# Altium PCB Mynd_TI_Amp.PcbDoc (part 1 of 2) (continued)
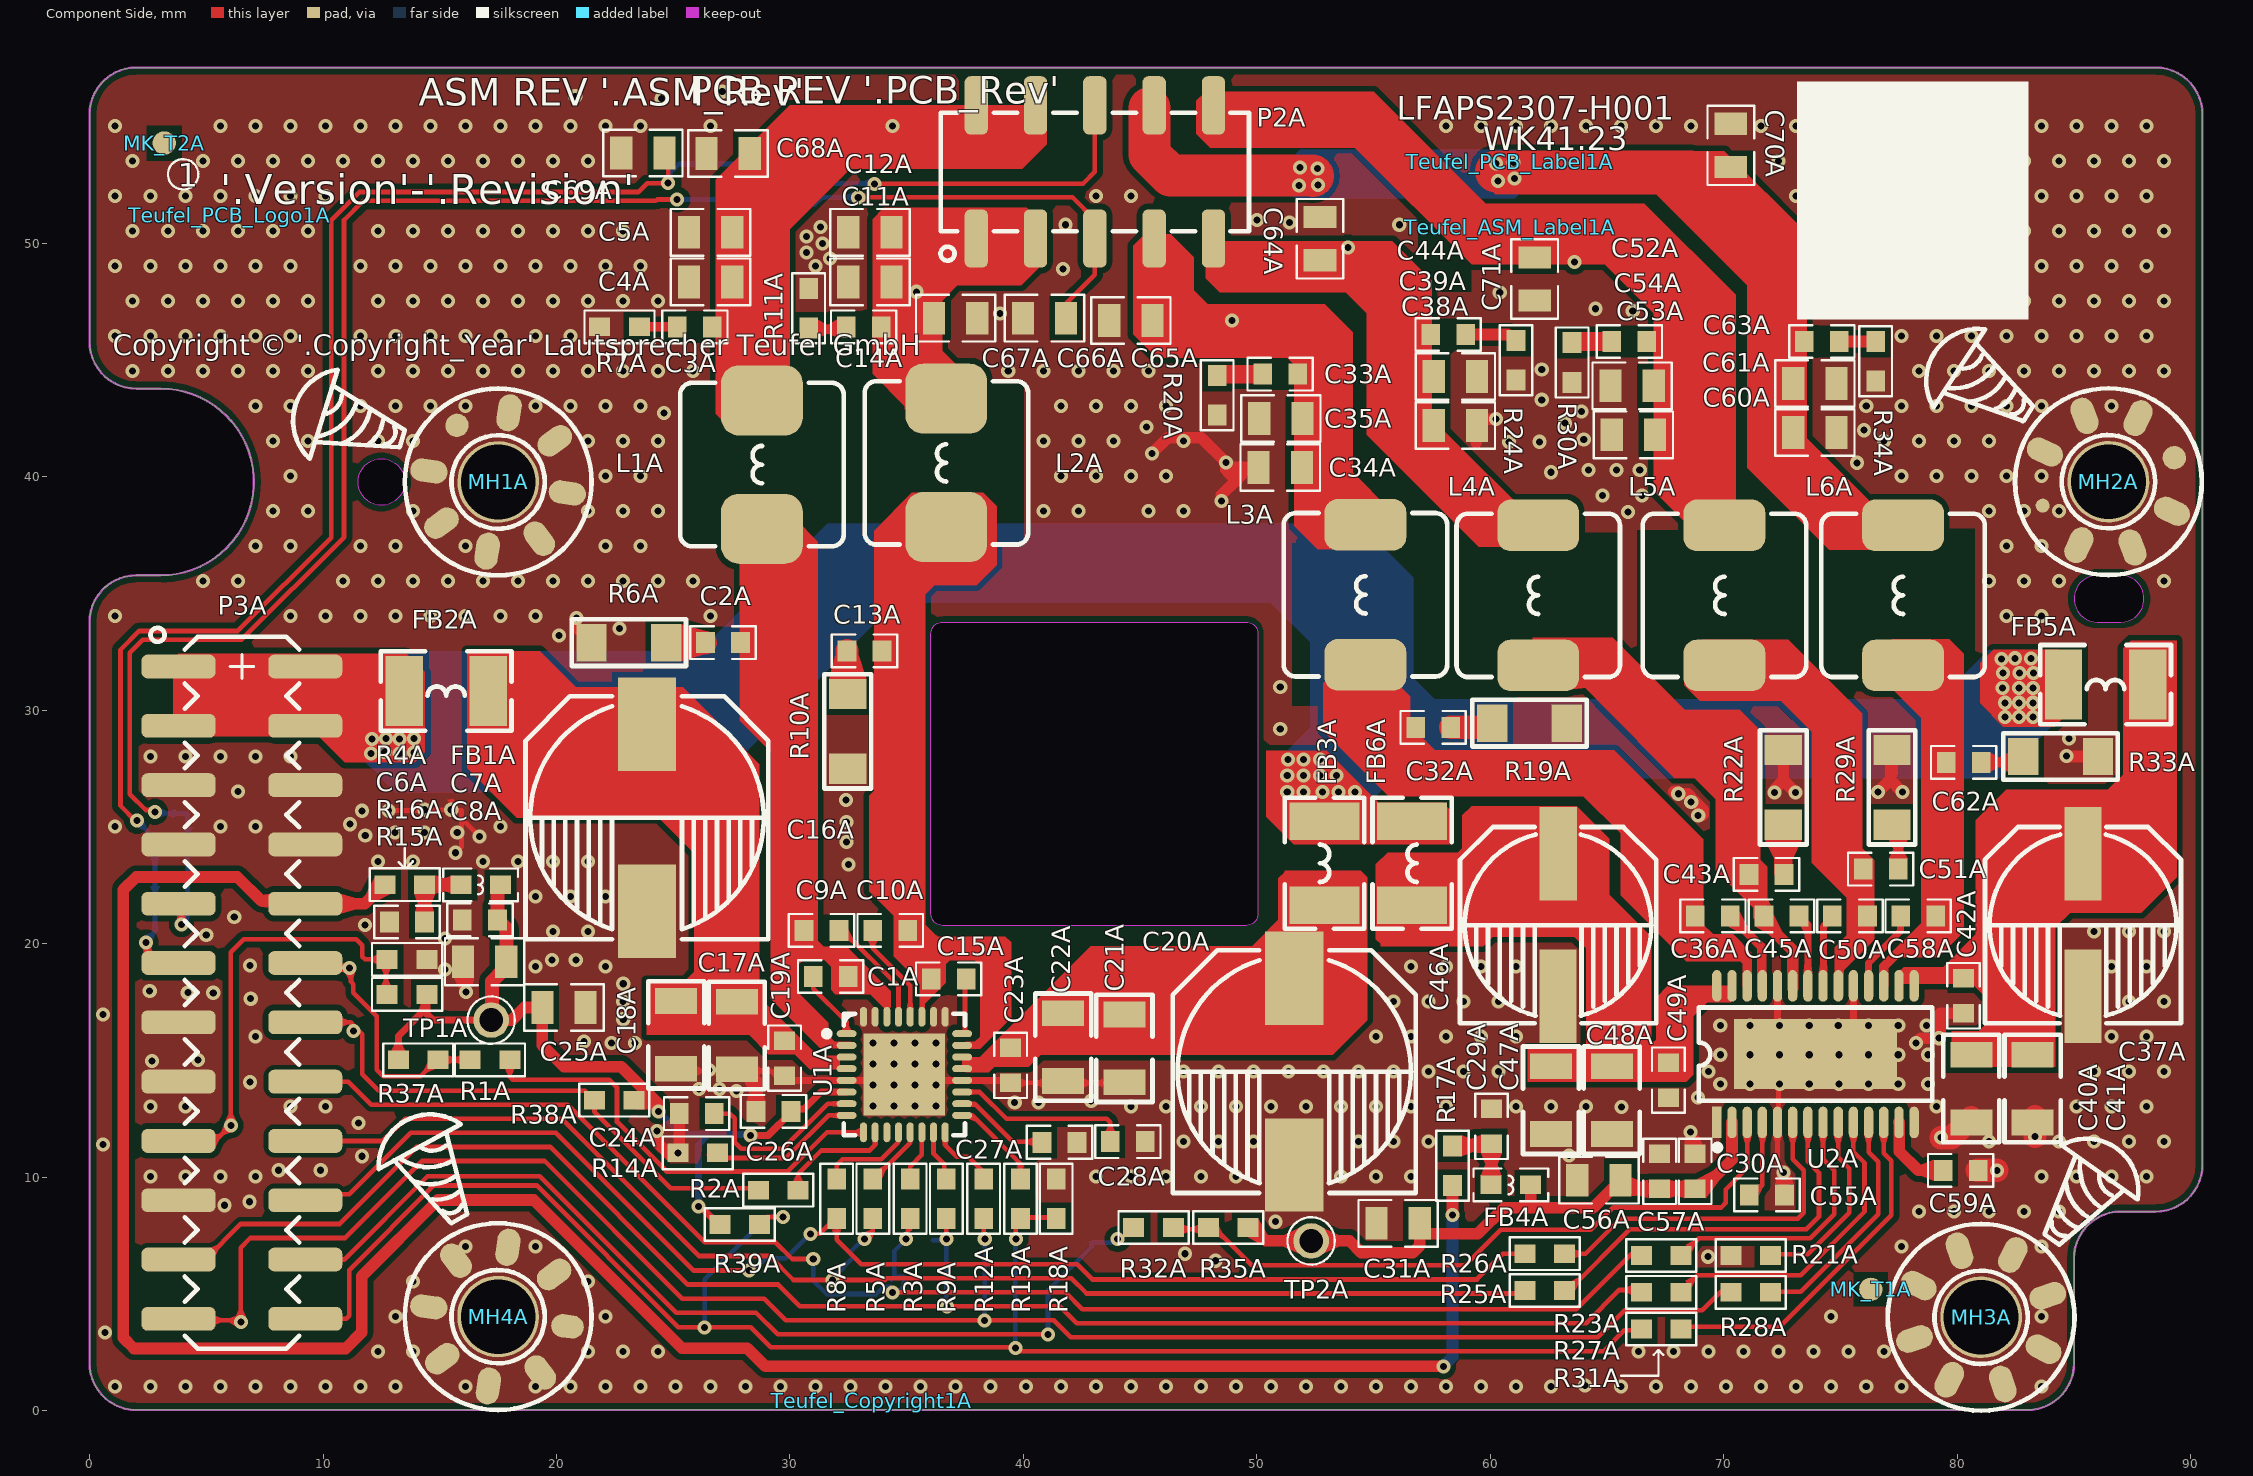
[diagram p0: Component Side view]
## Components (designator, comment, footprint, x,y, rotation, side; value= is the part's Value field where it differs from the comment)
C1A "470nF" C0603X100 31.75,18.6 r180 top
C2A "330pF" C0603X80 27.125,32.9 r0 top
C3A "10nF" C0603X100 25.93,46.425 r180 top
C4A "680nF" C0805_125 26.6,48.35 r180 top
C5A "1nF" C0805_125 26.6,50.475 r180 top
C6A "100nF" C0603X105 13.6,20.932 r180 top
C7A "100nF" C0603X105 16.725,21.025 r180 top
C8A "22uF" C0805_145 16.925,19.232 r180 top
C9A "470nF" C0603X100 31.355,20.576 r180 top
C10A "470nF" C0603X100 34.3,20.576 r180 top
C11A "680nF" C0805_125 33.425,48.35 r180 top
C12A "1nF" C0805_125 33.425,50.475 r180 top
C13A "330pF" C0603X80 33.2,32.55 r180 top
C14A "10nF" C0603X100 33.15,46.425 r0 top
C15A "470nF" C0603X100 36.8,18.5 r180 top
C16A "470uF" ECAP_SMD_1000X1000 23.876,25.4 r270 top
C17A "10uF" C1206 27.725,16.075 r270 top
C18A "10uF" C1206 25.125,16.1 r270 top
C19A "100nF" C0603X105 29.775,15.105 r270 top
C20A "470uF" ECAP_SMD_1000X1000 51.6,14.525 r270 top
C21A "10uF" C1206 44.325,15.525 r270 top
C22A "10uF" C1206 41.7,15.575 r270 top
C23A "100nF" C0603X105 39.45,14.8 r270 top
C24A "1uF" C0603X105 26,12.725 r0 top
C25A "4.7uF" C0805_145 20.32,17.272 r0 top
C26A "100nF" C0603X105 29.3,12.825 r180 top
C27A "1uF" C0603X105 41.55,11.5 r180 top
C28A "1uF" C0603X105 44.475,11.525 r180 top
C29A "100nF" C0603X105 60.05,12.175 r90 top
C30A "100nF" C0603X105 68.775,10.25 r90 top
C31A "22uF" C0805_145 56.05,8.025 r180 top
C32A "330pF" C0603X80 57.555,29.275 r180 top
C33A "10nF" C0603X100 51,44.4 r180 top
C34A "330nF" C0805_125 51,40.4 r180 top
C35A "1nF" C0805_125 51.025,42.5 r180 top
C36A "220nF" C0603X100 69.525,21.2 r0 top
C37A "220uF" ECAP_SMD_800X1000 85.384,20.8 r270 top
C38A "330nF" C0805_125 58.5,42.2 r0 top
C39A "1nF" C0805_125 58.5,44.3 r0 top
C40A "10uF" C1206 80.6,13.8 r270 top
C41A "10uF" C1206 83.225,13.8 r270 top
C42A "100nF" C0603X105 80.264,17.78 r270 top
C43A "330pF" C0603X80 71.82,22.975 r0 top
C44A "10nF" C0603X100 58.2,46.1 r180 top
C45A "220nF" C0603X100 72.475,21.2 r180 top
C46A "220uF" ECAP_SMD_800X1000 62.9,20.8 r270 top
C47A "10uF" C1206 62.6,13.3 r270 top
C48A "10uF" C1206 65.2,13.3 r270 top
C49A "100nF" C0603X105 67.625,14.162 r270 top
C50A "220nF" C0603X100 75.405,21.2 r180 top
C51A "330pF" C0603X80 76.725,23.2 r180 top
C52A "10nF" C0603X100 65.955,45.8 r180 top
C53A "330nF" C0805_125 66.125,41.8 r180 top
C54A "1nF" C0805_125 66.075,43.9 r180 top
C55A "1uF" C0603X105 71.85,9.25 r180 top
C56A "4.7uF" C0805_145 64.65,9.875 r180 top
C57A "100nF" C0603X105 67.25,10.25 r90 top
C58A "220nF" C0603X100 78.32,21.2 r0 top
C59A "1uF" C0603X105 80.15,10.3 r180 top
C60A "330nF" C0805_125 73.9,41.9 r0 top
C61A "1nF" C0805_125 73.9,44 r0 top
C62A "330pF" C0603X80 80.27,27.775 r0 top
C63A "10nF" C0603X100 74.2,45.8 r180 top
C64A "1nF" C0805_125 52.7,50.2 r90 top
C65A "1nF" C0805_125 44.6,46.7 r180 top
C66A "1nF" C0805_125 40.9,46.8 r180 top
C67A "1nF" C0805_125 37.1,46.8 r0 top
C68A "1nF" C0805_125 27.35,53.85 r180 top
C69A "1nF" C0805_125 23.7,53.875 r180 top
C70A "1nF" C0805_125 70.3,54.2 r90 top
C71A "1nF" C0805_125 61.9,48.475 r270 top
FB1A "600R" L0603 16.75,22.525 r0 top
FB2A "56R" L1612 15.275,30.825 r0 top
FB3A "56R" L1612 52.9,23.45 r270 top
FB4A "600R" L0603 60.875,9.675 r0 top
FB5A "56R" L1612 86.35,31.1 r0 top
FB6A "56R" L1612 56.65,23.45 r90 top
L1A "4.7uH" IND_SMD_YT_SQU_L78XW70XH50 28.8,40.525 r90 top
L2A "4.7uH" IND_SMD_YT_SQU_L78XW70XH50 36.7,40.6 r90 top
L3A "10uH" IND_SMD_YT_SQU_L78XW70XH30 54.65,34.95 r90 top
L4A "10uH" IND_SMD_YT_SQU_L78XW70XH30 62.05,34.925 r90 top
L5A "10uH" IND_SMD_YT_SQU_L78XW70XH30 70.025,34.925 r90 top
L6A "10uH" IND_SMD_YT_SQU_L78XW70XH30 77.675,34.925 r90 top
MH1A "SCREW_HOLE_D32" SCREW_D32#1 17.5,39.782 r126 top locked
MH2A "SCREW_HOLE_D32" SCREW_D32#2 86.474,39.794 r110 top
MH3A "SCREW_HOLE_D32" SCREW_D32#3 81.019,3.999 r18 top
MH4A "SCREW_HOLE_D32" SCREW_D32#4 17.5,4.032 r82 top
MK_T1A "MARK" MARK 76.3,5.2 r90 top
MK_T2A "MARK" MARK 3.2,54.3 r90 top
P2A "2 x 5P 2.54mm" female_2X5_254 43.06,53.06 r0 top
P3A "2 x 12P 2.54mm" Pin_Header_SMD_2X12_254 6.525,17.907 r270 top locked
R1A "10R" R0603 17.15,15.032 r180 top
R2A "10R" R0603 29.5,9.45 r180 top
R3A "0R" R0603 35.15,9.075 r90 top
R4A "2.2R" R0603 13.5,22.532 r180 top
R5A "0R" R0603 33.55,9.075 r90 top
R6A "10R" R1206 23.1,32.9 r180 top
R7A "3.3R" R0603 22.7,46.425 r180 top
R8A "0R" R0603 32,9.075 r90 top
R9A "0R" R0603 36.7,9.075 r90 top
R10A "10R" R1206 32.475,29.1 r90 top
R11A "3.3R" R0603 30.8,47.225 r90 top
R12A "0R" R0603 38.3,9.075 r90 top
R13A "10R" R0603 39.875,9.075 r270 top
R14A "0R" R0603 26.05,11.05 r0 top
R15A "100k" R0603 13.6,17.832 r180 top
R16A "10k" R0603 13.6,19.332 r0 top
R17A "2.2R" R0603 58.375,10.5 r270 top
R18A "10k" R0603 41.4,9.075 r90 top
R19A "10R" R1206 61.675,29.45 r0 top
R20A "3.3R" R0603 48.3,43.5 r270 top
R21A "10k" R0603 71.15,6.65 r180 top
R22A "10R" R1206 72.55,26.7 r270 top
R23A "0R" R0603 67.325,6.65 r0 top
R24A "3.3R" R0603 61.1,45 r270 top
R25A "0R" R0603 62.325,5.15 r0 top
R26A "0R" R0603 62.325,6.725 r0 top
R27A "0R" R0603 67.325,5.075 r0 top
R28A "0R" R0603 71.15,5.075 r0 top
R29A "10R" R1206 77.2,26.7 r90 top
R30A "3.3R" R0603 63.5,44.9 r270 top
R31A "10R" R0603 67.325,3.5 r180 top
R32A "10R" R0603 45.575,7.85 r180 top
R33A "10R" R1206 84.425,28.025 r180 top
R34A "3.3R" R0603 76.5,44.95 r270 top
R35A "4.7k" R0603 48.775,7.85 r180 top
R37A "10k" R0603 14.075,15.033 r0 top
R38A "10k" R0603 22.475,13.3 r180 top
R39A "NC" R0603 27.85,7.975 r0 top
Teufel_ASM_Label1A "=Comment/Name" Teufel_ASM_Rev 60.85,50.682 r0 top
Teufel_Copyright1A "=Comment/Name" TEUFEL_COPYRIGHT 33.5,0.432 r0 top
Teufel_PCB_Label1A "=Comment/Name" Teufel_PCB_Rev 60.825,53.507 r0 top
Teufel_PCB_Logo1A "T.3.0.0040-2.1" Teufel_NoLogo 6,51.2 r0 top
TP1A "TP_T_60_40" TP_T_60_40 17.2,16.732 r0 top
TP2A "TP_T_60_40" TP_T_60_40 52.325,7.275 r0 top
TP3A "TP12" TP120 21.775,27.15 r90 bottom
TP4A "TP12" TP120 35.875,48.4 r90 bottom
TP5A "TP12" TP120 33.5,54.932 r90 bottom
TP6A "TP12" TP120 30.734,52.578 r90 bottom
TP7A "TP12" TP120 28.3,52.125 r90 bottom
TP8A "TP12" TP120 59.4,53.132 r90 bottom
TP9A "TP12" TP120 21.6,29.45 r90 bottom
TP10A "TP12" TP120 48.4,46.132 r90 bottom
TP11A "TP12" TP120 63,48.6 r90 bottom
TP12A "TP12" TP120 54.8,49.632 r90 bottom
TP13A "TP12" TP120 4.21,25.527 r90 bottom
TP14A "TP12" TP120 11.049,18.415 r90 bottom
TP15A "TP12" TP120 11.049,15.494 r90 bottom
TP16A "TP12" TP120 2.8,23.032 r90 bottom
TP17A "TP12" TP120 34.315,5.31 r90 bottom
TP18A "TP12" TP120 6.35,12.319 r90 bottom
TP19A "TP12" TP120 32.525,6.8 r90 bottom
TP20A "TP12" TP120 29.225,6.526 r90 bottom
TP21A "TP12" TP120 36.125,7.3 r90 bottom
TP22A "TP12" TP120 42.9,7.2 r90 bottom
TP23A "TP12" TP120 40,7.3 r90 bottom
TP24A "TP12" TP120 6.477,4.191 r90 bottom
U1A "TAS5825PRHBR" QFN32_500X500X100_50_P350X350 34.9,14.4 r0 top
U2A "TAS5805MPWPR" TSSOP28(PWP) 73.925,15.275 r90 top

## Footprints (in the part's own frame and the unit in brackets; to place one, negate y for a bottom-side part, rotate by r counter-clockwise, add the part's x,y. Pads: shape width x height; smd on the part's side, far side on the other; paste and mask are expansions set on the pad)
C0603X80 [mm] "MLCC CAP 0603 T= 0.8 mm"
  rect 0.8x0.9 smd: 1(-0.745,0) 2(0.755,0)
  silkscreen extent -1.4,-0.7 1.4,0.7, body extent -0.8,-0.4 0.8,0.4, height 0.5
C0603X100 [mm] "MLCC CAP 0603 T= 1.0 mm"
  rect 0.8x0.9 smd: 1(-0.745,0) 2(0.755,0)
  silkscreen extent -1.4,-0.7 1.4,0.7, body extent -0.8,-0.4 0.8,0.4, height 0.8
C0603X105 [mm] "MLCC CAP 0603 T= 1.05 mm"
  rect 0.8x0.9 smd: 1(-0.745,0) 2(0.755,0)
  silkscreen extent -1.4,-0.7 1.4,0.7, body extent -0.8,-0.4 0.8,0.4, height 1.05
C0805_125 [mm] "Chip Capacitor 0805, T= 1.25 mm"
  rect 0.95x1.4 smd: 1(-0.925,0) 2(0.925,0)
  silkscreen extent -1.7,-1 1.7,1, body extent -1,-0.62 1,0.63, height 1.25
C0805_145 [mm] "Chip Capacitor 0805, T= 1.45 mm"
  rect 0.95x1.4 smd: 1(-0.925,0) 2(0.925,0)
  silkscreen extent -1.7,-1 1.7,1, body extent -1,-0.62 1,0.63, height 1.45
C1206 [mm] "Chip Capacitor 1206"
  rect 1.1x1.8 smd: 1(-1.45,0) 2(1.45,0)
  silkscreen extent -2.3,-1.2 2.3,1.2, body extent -1.6,-0.81 1.6,0.81, height 0.57
ECAP_SMD_800X1000 [mm] "Electrolytic Capacitors SMD D 8.00 mm X L 10.00 mm"
  rect 4x1.6 smd: 1(-3.05,0) 2(3.05,0)
  silkscreen extent -4.2,-4.2 4.2,4.2, body extent -4.45,-4.15 4.45,4.15, height 10
ECAP_SMD_1000X1000 [mm] "Electrolytic Capacitors SMD D 10.00 mm X L 10.00 mm"
  rect 4x2.5 smd: 1(-4,0) 2(4,0)
  silkscreen extent -5.2,-5.2 5.2,5.2, body extent -5.45,-5.15 5.45,5.15, height 10
female_2X5_254 [mm] "Female header  SMD  dual row    2.54mm  10pin H=7.5mm"
  rrect50% 1x2.5 smd: 1(-5.08,-2.85) 2(-5.08,2.85) 3(-2.54,-2.85) 4(-2.54,2.85) 5(0,-2.85) 6(0,2.85) 7(2.54,-2.85) 8(2.54,2.85) 9(5.08,-2.85) 10(5.08,2.85)
  silkscreen extent -6.61,-3.8 6.6,2.54, body extent -6.6,-3.35 6.6,3.35, height 7.46
IND_SMD_YT_SQU_L78XW70XH30 [mm] "INDUCTOR SMD L 7.8 x W 7.0 x H 3.0 mm"
  rrect50% 2.2x3.5 smd: 1(-3,0) 2(3,0)
  Component Side pour cut-out: -1.5,1.7 1.5,1.7 1.5,-1.7 -1.5,-1.7
  silkscreen extent -3.5,-3.5 3.5,3.5, body extent -3.7,-3.5 3.7,3.5, height 3.05
IND_SMD_YT_SQU_L78XW70XH50 [mm] "INDUCTOR SMD L 7.8 x W 7.0 x H 5.0 mm"
  rrect50% 3x3.5 smd: 1(-2.75,0) 2(2.75,0)
  Component Side pour cut-out: -1.1,1.7 1.1,1.7 1.1,-1.7 -1.1,-1.7
  silkscreen extent -3.5,-3.5 3.5,3.5, body extent -3.7,-3.5 3.7,3.5, height 5.05
L0603 [mm] "Chip Inductor 0603"
  rect 0.9x0.8 smd: 1(-0.85,0) 2(0.85,0)
  silkscreen extent -1.6,-0.7 1.6,0.7, body extent -0.8,-0.4 0.8,0.4, height 1
L1612 [mm] "Chip Inductor 1612 4.0 x 3.0 x 1.6mm"
  rect 1.6x3 smd: 1(-1.8,0) 2(1.8,0)
  silkscreen extent -2.8,-1.7 2.8,1.7, body extent -2,-1.5 2,1.5, height 1.6
MARK [mm] "MARK DOT 1mm"
  rect 1.5x1.5 on Top Solder: 0(0,0)
  rect 1.5x1.5 on Bottom Solder: 1(0,0)
  round 1 smd far side mask+0: MK_B(0,0)
  round 1 smd mask+0: MKT(0,0)
  Component Side pour cut-out: -0.75,-0.75 0.75,-0.75 0.75,0.75 -0.75,0.75
  Solder Side pour cut-out: -0.75,-0.75 0.75,-0.75 0.75,0.75 -0.75,0.75
Pin_Header_SMD_2X12_254 [mm] "Pin header  SMD  dual row   2.54mm  24pin"
  rrect50% 1.02x3.17 smd: 1(-13.97,-2.715) 2(-13.97,2.715) 3(-11.43,-2.715) 4(-11.43,2.715) 5(-8.89,-2.715) 6(-8.89,2.715) 7(-6.35,-2.715) 8(-6.35,2.715) 9(-3.81,-2.715) 10(-3.81,2.715) 11(-1.27,-2.715) 12(-1.27,2.715) 13(1.27,-2.715) 14(1.27,2.715) 15(3.81,-2.715) 16(3.81,2.715) 17(6.35,-2.715) 18(6.35,2.715) 19(8.89,-2.715) 20(8.89,2.715) 21(11.43,-2.715) 22(11.43,2.715) 23(13.97,-2.715) 24(13.97,2.715)
  silkscreen extent -15.63,-3.91 15.25,2.45, body extent -15.24,-3.75 15.24,3.75, height 9.61
QFN32_500X500X100_50_P350X350 [mm] "QFN, 32-Leads, Body 5.00x5.00mm, Pitch 0.50mm, Thermal Pad 3.50x3.50mm, IPC Medium Density"
  rect 3.5x3.5 smd: 0(0,0)
  oval 0.85x0.3 smd mask+0.051: 1(-2.475,1.75) 3(-2.475,0.75)
  oval 0.85x0.3 smd: 2(-2.475,1.25) 4(-2.475,0.25) 5(-2.475,-0.25) 6(-2.475,-0.75) 7(-2.475,-1.25) 8(-2.475,-1.75) 17(2.475,-1.75) 18(2.475,-1.25) 19(2.475,-0.75) 20(2.475,-0.25) 21(2.475,0.25) 22(2.475,0.75) 23(2.475,1.25) 24(2.475,1.75)
  oval 0.3x0.85 smd: 9(-1.75,-2.475) 10(-1.25,-2.475) 11(-0.75,-2.475) 12(-0.25,-2.475) 13(0.25,-2.475) 14(0.75,-2.475) 15(1.25,-2.475) 16(1.75,-2.475) 25(1.75,2.475) 26(1.25,2.475) 27(0.75,2.475) 28(0.25,2.475) 29(-0.25,2.475) 30(-0.75,2.475) 31(-1.25,2.475) 32(-1.75,2.475)
  silkscreen extent -3.45,-2.6 2.6,2.6, body extent -2.5,-2.5 2.5,2.5, height 1
R0603 [mm] "Chip Resistor 0603"
  rect 0.9x0.8 smd: 1(-0.85,0) 2(0.85,0)
  silkscreen extent -1.5,-0.7 1.5,0.7, body extent -0.8,-0.4 0.8,0.4, height 0.3
R1206 [mm] "Chip Resistor 1206"
  rect 1.3x1.6 smd: 1(-1.6,0) 2(1.6,0)
  silkscreen extent -2.45,-1 2.45,1, body extent -1.55,-0.8 1.55,0.8, height 0.55
SCREW_D32#1 [mm] "Screw hole D = 3.2mm"
  oval 1.6x1 smd: 1(-3,0)
  oval 1.6x1 smd far side: 1(-3,0)
  oval 1x1.6 smd rot 45: 1(-2.121,2.121) 1(2.121,-2.121)
  oval 1x1.6 smd far side rot 45: 1(-2.121,2.121) 1(2.121,-2.121)
  oval 1x1.6 smd rot 135: 1(-2.121,-2.121) 1(2.121,2.121)
  oval 1x1.6 smd far side rot 135: 1(-2.121,-2.121) 1(2.121,2.121)
  oval 1x1.6 smd: 1(0,3) 1(0,-3)
  oval 1x1.6 smd far side: 1(0,3) 1(0,-3)
  round 3.5 hole 3.2: 1(0,0)
  round 1 smd: 1(3,0)
  round 1 smd far side: 1(3,0)
  silkscreen extent -4,-4 8.19,5.99
SCREW_D32#2 [mm] "Screw hole D = 3.2mm"
  oval 1.6x1 smd: 1(-3,0) 1(3,0)
  oval 1.6x1 smd far side: 1(-3,0) 1(3,0)
  oval 1x1.6 smd rot 45: 1(-2.121,2.121) 1(2.121,-2.121)
  oval 1x1.6 smd far side rot 45: 1(-2.121,2.121) 1(2.121,-2.121)
  oval 1x1.6 smd rot 135: 1(-2.121,-2.121) 1(2.121,2.121)
  oval 1x1.6 smd far side rot 135: 1(-2.121,-2.121) 1(2.121,2.121)
  round 1 smd: 1(0,-3)
  round 1 smd far side: 1(0,-3)
  round 3.5 hole 3.2: 1(0,0)
  round 0.6 smd: 1(0,3)
  round 0.6 smd far side: 1(0,3)
  silkscreen extent -4,-4 8.19,5.99
SCREW_D32#3 [mm] "Screw hole D = 3.2mm"
  oval 1.6x1 smd: 1(-3,0) 1(3,0)
  oval 1.6x1 smd far side: 1(-3,0) 1(3,0)
  oval 1x1.6 smd rot 135: 1(-2.121,-2.121) 1(2.121,2.121)
  oval 1x1.6 smd far side rot 135: 1(-2.121,-2.121) 1(2.121,2.121)
  oval 1x1.6 smd rot 45: 1(-2.121,2.121) 1(2.121,-2.121)
  oval 1x1.6 smd far side rot 45: 1(-2.121,2.121) 1(2.121,-2.121)
  oval 1x1.6 smd: 1(0,3) 1(0,-3)
  oval 1x1.6 smd far side: 1(0,3) 1(0,-3)
  round 3.5 hole 3.2: 1(0,0)
  silkscreen extent -4,-4 8.19,5.99
SCREW_D32#4 [mm] "Screw hole D = 3.2mm"
  oval 1.6x1 smd: 1(-3,0) 1(3,0)
  oval 1.6x1 smd far side: 1(-3,0) 1(3,0)
  oval 1x1.6 smd rot 135: 1(-2.121,-2.121) 1(2.121,2.121)
  oval 1x1.6 smd far side rot 135: 1(-2.121,-2.121) 1(2.121,2.121)
  oval 1x1.6 smd rot 45: 1(-2.121,2.121) 1(2.121,-2.121)
  oval 1x1.6 smd far side rot 45: 1(-2.121,2.121) 1(2.121,-2.121)
  oval 1x1.6 smd: 1(0,3)
  oval 1x1.6 smd far side: 1(0,3)
  round 3.5 hole 3.2: 1(0,0)
  oval 1x1.4 smd: 1(0,-3)
  oval 1x1.4 smd far side: 1(0,-3)
  silkscreen extent -4,-4 8.19,5.99
Teufel_ASM_Rev [mm]
TEUFEL_COPYRIGHT [mm]
Teufel_NoLogo [mm] "Teufel NoLogo"
Teufel_PCB_Rev [mm]
TP120 [mm] "TEST PAD 1.2mm"
  round 1.2 smd: 1(0,0)
  silkscreen extent -0.7,-0.7 0.7,0.7
TP_T_60_40 [mil] "TEST PAD 60mil 40mil"
  round 60 / inner oval 60x50 / far side round 60 hole 40: 1(0,0)
  silkscreen extent -40,-40 40,40
TSSOP28(PWP) [mm] "28 terminals; 0.65 mm pitch; 9.7 mm x 4.4 mm x 1.2 mm body, with T_Pad"
  rect 3x7 smd: 0(0,0)
  rect 1.35x0.4 smd: 1(-2.925,4.225)
  oval 1.35x0.4 smd: 2(-2.925,3.575) 3(-2.925,2.925) 4(-2.925,2.275) 5(-2.925,1.625) 6(-2.925,0.975) 7(-2.925,0.325) 8(-2.925,-0.325) 9(-2.925,-0.975) 10(-2.925,-1.625) 11(-2.925,-2.275) 12(-2.925,-2.925) 13(-2.925,-3.575) 14(-2.925,-4.225) 15(2.925,-4.225) 16(2.925,-3.575) 17(2.925,-2.925) 18(2.925,-2.275) 19(2.925,-1.625) 20(2.925,-0.975) 21(2.925,-0.325) 22(2.925,0.325) 23(2.925,0.975) 24(2.925,1.625) 25(2.925,2.275) 26(2.925,2.925) 27(2.925,3.575) 28(2.925,4.225)
  silkscreen extent -4.12,-5 2,5, body extent -3.2,-4.85 3.2,4.85, height 1.13

## Part data
C1A C9A C10A C15A: library part P-001-0125-21, "PSHF SMD M CAP 470nF 50V ±10% 0603 X7R", Manufacturer=Multi-Sourced, TemperatureRange=X7R, Tolerance=±10%, Voltage=50V, Part_Number=Generic, Part_Type="Capacitor ceramic SMT"
C2A C13A C32A C43A C51A C62A: library part P-001-0387-45, "PSHF SMD M CAP 330pF 50V ±5% 0603 NPO", Manufacturer=Multi-Sourced, TemperatureRange=NPO, Tolerance=±5%, Voltage=50V, Part_Number=Generic, Part_Type="Capacitor ceramic SMT"
C3A C14A C33A C44A C52A C63A: library part P-001-0058-45, "PSHF SMD M CAP 10nF 50V ±10% 0603 X7R", Manufacturer=Multi-Sourced, TemperatureRange=X7R, Tolerance=±10%, Voltage=50V, Part_Number=Generic, Part_Type="Capacitor ceramic SMT"
C4A C11A: library part P-001-0156-16, "PSHF SMD M CAP 680nF 50V ±10% 0805 X7R", Manufacturer=Multi-Sourced, TemperatureRange=X7R, Tolerance=±10%, Voltage=50V, Part_Number=Generic, Part_Type="Capacitor ceramic SMT"
C5A C12A C35A C39A C54A C61A C64A C65A C66A C67A C68A C69A C70A C71A: library part P-001-0183-42, "PSHF SMD M CAP 0.001uF 50V ±10% 0805 X7R", Manufacturer=Multi-Sourced, TemperatureRange=X7R, Tolerance=±10%, Voltage=50V, Part_Number=Generic, Part_Type="Capacitor ceramic SMT"
C6A C7A C19A C23A C26A C29A C30A C42A C49A C57A: library part P-001-0008-44, "PSHF SMD M CAP 100nF 50V ±5% 0603 X7R", Manufacturer=Multi-Sourced, TemperatureRange=X7R, Tolerance=±5%, Voltage=50V, Part_Number=Generic, Part_Type="Capacitor ceramic SMT"
C8A C31A: library part P-001-0128-57, "PSHF SMD M CAP 22uF 10V ±20% 0805 X5R", Manufacturer=Multi-Sourced, TemperatureRange=X5R, Tolerance=±20%, Voltage=10V, Part_Number=Generic, Part_Type="Capacitor ceramic SMT"
C16A C20A: library part P-001-0309-22, "PS SMD COND ELECT 470uF 35V ±20% 105℃", Manufacturer=Multi-Sourced, TemperatureRange=105℃, Tolerance=±20%, Voltage=35V, Part_Number=Generic, Part_Type="Capacitor electrolytic SMT"
C17A C18A C21A C22A C40A C41A C47A C48A: library part P-001-0200-18, "PSHF SMD M CAP 10uF 50V ±10% 1206 X5R", Manufacturer=Multi-Sourced, TemperatureRange=X5R, Tolerance=±10%, Voltage=50V, Part_Number=Generic, Part_Type="Capacitor ceramic SMT"
C24A C27A C28A C55A C59A: library part P-001-0065-40, "PSHF SMD M CAP 1uF 50V ±10% 0603 X7R", Manufacturer=Multi-Sourced, TemperatureRange=X7R, Tolerance=±10%, Voltage=50V, Part_Number=Generic, Part_Type="Capacitor ceramic SMT"
C25A C56A: library part P-001-0169-16, "PSHF SMD M CAP 4.7uF 25V ±10% 0805 X7R", Manufacturer=Multi-Sourced, TemperatureRange=X7R, Tolerance=±10%, Voltage=25V, Part_Number=Generic, Part_Type="Capacitor ceramic SMT"
C34A C38A C53A C60A: library part P-001-0155-17, "PSHF SMD M CAP 330nF 50V ±10% 0805 X7R", Manufacturer=Multi-Sourced, TemperatureRange=X7R, Tolerance=±10%, Voltage=50V, Part_Number=Generic, Part_Type="Capacitor ceramic SMT"
C36A C45A C50A C58A: library part P-001-0092-31, "PSHF SMD M CAP 220nF 50V ±10% 0603 X7R", Manufacturer=Multi-Sourced, TemperatureRange=X7R, Tolerance=±10%, Voltage=50V, Part_Number=Generic, Part_Type="Capacitor ceramic SMT"
C37A C46A: library part P-001-0142-39, "PS SMD COND ELECT 220uF 35V ±20% 105℃", Manufacturer=[LELON], TemperatureRange=105℃, Tolerance=±20%, Voltage=35V, Part_Number=Generic, Part_Type="Capacitor electrolytic SMT"
FB1A FB4A: library part S-001-0008-33, "PSHF SMD FERRITE BEAD 600OHM 25% 0603", Current=2A, Frequency=100MHZ, Manufacturer=TSA, Tolerance=1:25%, Part_Type="Ferrite Bead SMT"
FB2A FB3A FB5A FB6A: library part S-001-0416-2, "SMD FERRITE BEAD 56Ohm 25% 1612", Current=10A, Frequency=100MHz, Manufacturer=TSA, Tolerance=1:25%, Part_Type="Ferrite Bead SMT"
L1A L2A: library part S-001-0041-29, "PS INDUCTOR 4.7uH 20% 6.5A 7.8x7x4.8", Current=6.5A, Frequency=100KHz, Manufacturer=CHAMPIONS, Tolerance=7:20%, Voltage=1V, Part_Type="Inductor SMT"
L3A L4A L5A L6A: library part S-001-0042-38, "GP SMD INDUCTOR 10uH 1MHz 1V NORM", Current=4A, Frequency=1MHz, Manufacturer=[CHAMPIONS], Tolerance=7:20%, Voltage=1V, Part_Type="Inductor SMT"
MH1A MH2A MH3A MH4A: library part N-001-00005-4, "SCREW_HOLE D3.2mm", Design Item ID=SCREW_HOLE
MK_T1A MK_T2A: library part N-001-00003-2, "MARK DOT", Design Item ID=MARK
P2A: library part C-001-1096-5, "SMD BTB CONNECTOR 10P P2.54mm GOLD", Manufacturer=MINGHENG, Part_Type="Connector SMT", System=Connector
P3A: library part C-001-1094-3, "SMD BTB CONNECTOR 24P P2.54mm GOLD", Manufacturer=MINGHENG, Part_Type="Connector SMT", System=Connector
R1A R2A R13A R31A R32A: library part Q-001-0042-68, "PS SMD RES. 10OHM 1/10W 5% 0603", Manufacturer=Multi-Sourced, Tolerance=1%, Part_Number=Generic, Part_Type="Resistor SMT", Wattage=1/10W
R3A R5A R8A R9A: library part Q-001-0048-199, "PS SMD RES. 0OHM 1/10W 5% 0603", Manufacturer=Multi-Sourced, Tolerance=1%, Part_Number=Generic, Part_Type="Resistor SMT", Wattage=1/10W
R4A R17A: library part Q-001-0264-41, "PS SMD RES. 2.2OHM 1/10W 5% 0603", Manufacturer=Multi-Sourced, Tolerance=1%, Part_Number=Generic, Part_Type="Resistor SMT", Wattage=1/10W
R6A R10A R19A R22A R29A R33A: library part Q-001-0107-29, "PS SMD RES. 10OHM 1/4W 5% 1206", Manufacturer=Multi-Sourced, Tolerance=1%, Part_Number=Generic, Part_Type="Resistor SMT", Wattage=1/4W
R7A R11A R20A R24A R30A R34A: library part Q-001-0403-21, "PS SMD RES. 3.3OHM 1/10W 1% 0603", Manufacturer=Multi-Sourced, Tolerance=1%, Part_Number=Generic, Part_Type="Resistor SMT", Wattage=1/10W
R12A R14A R23A R25A R26A R27A R28A: library part Q-001-0048-200, "PS SMD RES. 0OHM 1/10W 5% 0603", Manufacturer=Multi-Sourced, Tolerance=1%, Part_Number=Generic, Part_Type="Resistor SMT", Wattage=1/10W
R15A: library part Q-001-0032-53, "PS SMD RES. 100KOHM 1/10W 1% 0603", Manufacturer=Multi-Sourced, Tolerance=1%, Part_Number=Generic, Part_Type="Resistor SMT", Wattage=1/10W
R16A R18A R21A R37A R38A R39A: library part Q-001-0036-48, "PS SMD RES. 10KOHM 1/10W 1% 0603", Manufacturer=Multi-Sourced, Tolerance=1%, Part_Number=Generic, Part_Type="Resistor SMT", Wattage=1/10W
R35A: library part Q-001-0431-28, "PS SMD RES. 4.7KOHM 1/10W 1% 0603", Manufacturer=Multi-Sourced, Tolerance=1%, Part_Number=Generic, Part_Type="Resistor SMT", Wattage=1/10W
Teufel_ASM_Label1A: library part CMP-00088-3, "Teufel_ASM_Rev"
Teufel_Copyright1A: library part CMP-00086-3, "Teufel_Copyright_Year"
Teufel_PCB_Label1A: library part CMP-00087-3, "Teufel_PCB_Label"
Teufel_PCB_Logo1A: library part "Teufel NoLogo", "Teufel PCB NoLogo"
TP1A TP2A: library part CMP-00089-1, "Test Point", Design Item ID=TP
TP3A TP4A TP5A TP6A TP7A TP8A TP9A TP10A TP11A TP12A TP13A TP14A TP15A TP16A TP17A TP18A TP19A TP20A TP21A TP22A TP23A TP24A: library part N-001-00010-2, "Test Point", Design Item ID=TP
U1A: library part R-001-0680-159, "GP SMD IC 32P VQFN TAS5825PRHBR TI", Manufacturer=[TI], Part_Number=TAS5825PRHBR
U2A: library part R-001-0684-13, "GP SMD IC 28P HTSSOP TAS5805MPWPR TI", Manufacturer=[TI], Part_Number=TAS5805MPWPR

## Via types
v1: diameter 0.6, hole 0.3, Component Side to Solder Side, tented both sides, 616 vias
v2: diameter 0.61, hole 0.305, Component Side to Solder Side, tented both sides, 71 vias
v3: diameter 0.61, hole 0.305, Component Side to Solder Side, 48 vias

## Nets (pads, with @x,y where several pads share a name; then routed paths per layer and width w, separated by ;. In a path a pad name is that pad's centre, name@x,y a point inside that pad or via, vN(x,y) a via of type N, cw(c..) or ccw(c..) an arc to the next point about the centre after c; other vN are vias at no path point)
3V3_STB: P3A.10 R4A.2 R17A.2 | length 103
  Component Side w0.5: R4A.2@12.65,22.532 12.6,22.532 11.785,21.717 P3A.10@9.24,21.717 9.119,21.838 7.354,21.838 6.332,22.86 1.997,22.86 1.45,22.313 1.45,3.122 1.905,2.667 10.967,2.667 11.655,3.355 11.655,5.755 14.925,9.025 19.025,9.025 25.375,2.675 28.175,2.675 28.95,1.9 v1(57.984,1.9) ; v1(58.375,8.38) R17A.2@58.375,9.65
  Solder Side w0.5: v1(57.984,1.9) 58.375,2.29 v1@58.375,8.353
3V3_SW: C7A.1 C8A.1 C25A.1 C26A.1 FB1A.2 R15A.1 R37A.1 R38A.1 R39A.1 TP1A.1 U1A.6 | length 37.1
  Component Side w0.3: R37A.1@13.225,15.032 13.225,16.057 14.45,17.282 ; R15A.1@14.45,17.832 14.45,17.282 ; TP1A.1@17.2,16.732 14.7,16.732 14.45,16.982 14.45,17.282 ; v1(26.075,8.748) 26.132,8.691 26.234,8.691 26.95,7.975 R39A.1@27,7.975 ; v1(28.3,11.8) 29.07,11.8 30.045,12.775 C26A.1@30.045,12.825 ; C26A.1@30.045,12.925 30.6,12.925 31.325,13.65 U1A.6@32.425,13.65
  Component Side w0.5: TP1A.1@17.2,16.732 18.08,16.732 18.62,17.272 C25A.1@19.395,17.272 19.395,15.657 20.32,14.732 22.768,14.732 24.356,13.144 24.356,12.844 v1(24.375,12.825) ; R38A.1@23.325,13.3 23.475,13.15 24.023,13.15
  Component Side w0.6: TP1A.1@17.2,16.732 17.237,16.769 17.237,18.394 C8A.1@17.69,18.847 ; FB1A.2@17.6,22.525 17.47,22.395 C7A.1@17.47,21.025 17.85,20.645 C8A.1@17.85,19.232
  Solder Side w0.3: v1(24.375,12.825) 25.375,11.825 26.492,11.825 ; v1(26.075,8.748) 26.075,11.408 26.492,11.825 ; v1(28.3,11.8) 28.275,11.825 26.492,11.825
3V3_TW: C30A.1 C31A.1 C56A.1 C57A.1 FB4A.2 R35A.1 TP2A.1 U2A.2 | length 26.5
  Component Side w0.5: R35A.1@49.8,7.85 50.375,7.275 TP2A.1@52.325,7.275 53.967,7.275 54.472,6.77 56.67,6.77 56.975,7.075 56.975,7.575 C31A.1@56.975,7.9 ; C31A.1@56.975,8.025 56.975,7.8 57.2,7.575 59.465,7.575 60.59,8.7 61.725,8.7 64.4,8.7 C56A.1@65.575,9.875 65.945,9.505 67.3,9.505 C30A.1@68.9,9.505 ; 61.725,8.745 FB4A.2@61.725,9.675 ; C30A.1@68.775,9.505 69.105,9.505 70.35,10.75 U2A.2@70.35,12.35
24V: FB2A.1 FB3A.1 FB5A.1 FB6A.2 P3A.1 P3A.2 P3A.3 P3A.4 TP3A.1 TP9A.1 | length 0.5
  Component Side w0.2: FB2A.1@13.5,30.6 13.798,30.898 FB2A.1@13.725,30.971
  other v1: 51.3,26.5 52,26.5 52.8,26.5 53.5,26.5 54.2,26.5 51.3,27.2 52,27.2 52.7,27.2 53.4,27.2 51.325,27.9 52,27.9 52.7,27.9 12.05,28.15 13.275,28.15 13.9,28.2 12.625,28.225 12.1,28.775 13.275,28.775 12.7,28.8 13.9,28.8 82.05,29.725 82.65,29.725 83.25,29.725 82.05,30.325 82.65,30.325 83.25,30.325 81.937,30.961 82.637,30.961 83.237,30.961 81.967,31.596 82.667,31.596 83.267,31.596 81.9,32.207 82.475,32.231 83.15,32.225
A\m\p\_\P\D\N\: P3A.24 R13A.2 R18A.1 R31A.2 R39A.2 TP23A.1 | length 78.5
  Component Side w0.2: P3A.24@9.24,3.937 10.987,3.937 11.125,4.075 11.125,6.025 14.75,9.65 19.15,9.65 25.225,3.575 28.325,3.575 29.18,2.72 39.625,2.72 v1(39.65,2.695) ; R39A.2@28.825,8.1 29.025,8.3 v3(29.7,8.3) ; v1(39.675,7.35) 39.675,8.063 R13A.2@39.875,8.263 ; v1@39.82,2.55 64.85,2.55 65.742,3.442 66.417,3.442 R31A.2@66.475,3.5 ; R13A.2@39.875,8.275 R18A.1@41.4,8.275
  Solder Side w0.2: v1(26.35,3.575) 26.35,5.625 29.025,8.3 v3(29.7,8.3) ; v1(39.65,2.695) 39.65,7.325 v1(39.675,7.35)
A\m\p\_\S\w\F\l\t\: P3A.12 R1A.2 R37A.2 TP14A.1 | length 11
  Component Side w0.2: P3A.12@9.24,19.177 9.446,18.971 v1(11.125,18.971) 11.2,18.896 11.2,18.371 11.3,18.271 11.3,17.907 12.3,16.907 12.3,14.608 12.575,14.333 14.175,14.333 14.875,15.032 R37A.2@14.925,15.032 R1A.2@16.05,15.032
A\m\p\_\T\w\F\l\t\: P3A.22 R32A.2 TP22A.1 | length 42
  Component Side w0.2: P3A.22@9.24,6.477 10.902,6.477 14.475,10.05 19.287,10.05 25.133,4.204 28.546,4.204 29.475,3.275 v1(41.05,3.275)
  Solder Side w0.2: v1(41.05,3.275) 41.05,5.15 42.9,7 TP22A.1@42.9,7.2 43.778,7.2 43.928,7.35 v1(44.037,7.35)
Amp_Ver: P3A.17 R15A.2 R16A.1 TP18A.1 | length 19.2
  Component Side w0.2: P3A.17@3.81,11.557 3.937,11.43 5.255,11.43 v1(6.05,12.225) 6.05,19.639 6.604,20.193 11.43,20.193 11.68,19.943 11.68,19.452 11.8,19.332 12.7,19.332 R15A.2@12.7,17.732
BatVCC: C66A.1 P2A.5 P3A.9 TP7A.1 TP13A.1 | length 77.6
  Component Side w0.2: v1(2.794,25.654) 2.717,25.731 2.404,25.731 1.725,26.409 1.725,32.463 2.282,33.02 6.506,33.02 10.9,37.414 10.9,51.003 11.717,51.82 24.257,51.82 24.318,51.881 v1(25.169,51.881) ; P3A.9@3.81,21.717 3.937,21.59 v1(3.937,20.828) ; v1(32.925,51.975) 33.382,51.975 33.385,51.972 33.865,51.972 33.868,51.975 42.101,51.975 43.06,51.016 43.06,50 43.06,48.66 41.725,47.325 C66A.1@41.725,46.9
  Solder Side w0.2: v1(2.794,25.654) 2.857,25.59 4.147,25.59 TP13A.1@4.21,25.527 4.21,21.209 3.937,20.936 v1(3.937,20.828) ; v1(25.169,51.881) 28.056,51.881 28.387,52.212 28.95,51.65 31.051,51.65 31.38,51.979 ; 31.38,51.98 v1@32.92,51.98
C_Open: C69A.1 P2A.6 P3A.11 TP6A.1 TP16A.1 | length 78.3
  Component Side w0.2: v1(2.032,25.273) 1.959,25.273 1.325,25.907 1.325,32.6 2.125,33.4 6.349,33.4 10.35,37.401 10.35,50.99 11.56,52.2 23.5,52.2 23.88,52.58 v1(24.785,52.58) 24.785,53.715 C69A.1@24.625,53.875 ; v1@2.49,20.143 v1(2.413,20.066) 2.49,19.989 2.49,19.575 2.888,19.177 P3A.11@3.81,19.177 ; v1(33.625,52.552) 42.552,52.552 43.06,53.06 P2A.6@43.06,55.4
  Solder Side w0.2: v1(2.032,25.273) 2.8,24.505 TP16A.1@2.8,23.032 2.8,20.528 2.413,20.141 v1(2.413,20.066) ; v1(24.785,52.58) 24.862,52.657 24.862,53.023 25.148,53.31 25.238,53.4 29.925,53.4 29.984,53.341 30.74,52.584 30.752,52.573 30.752,52.564 33.613,52.564 v1(33.625,52.552)
Env_Track: P3A.14 R2A.2 R38A.2 TP15A.1 | length 23.8
  Component Side w0.2: P3A.14@9.24,16.637 11.176,16.637 v1@11.303,16.51 ; v1(11.303,16.256) v1@11.303,16.51 ; R2A.2@28.5,9.525 24.903,9.525 21.625,12.803 R38A.2@21.625,13.3 21.22,13.705 12.39,13.705 11.684,14.411 11.684,16.129 11.43,16.383 v1@11.303,16.51